# Altium PCB Velvet_Controller_V2.0_2023.PcbDoc (part 2 of 4)
Units mm, origin at the board's own origin, x right, y up, seen from the top; angles counter-clockwise.
Board outline 215.4 x 111.4 mm, 4 copper layers (Top Layer, INT1, INT2, Bottom Layer), stack 1.46 mm thick; 362 components, 218 nets, 1223 pads, 730 vias.
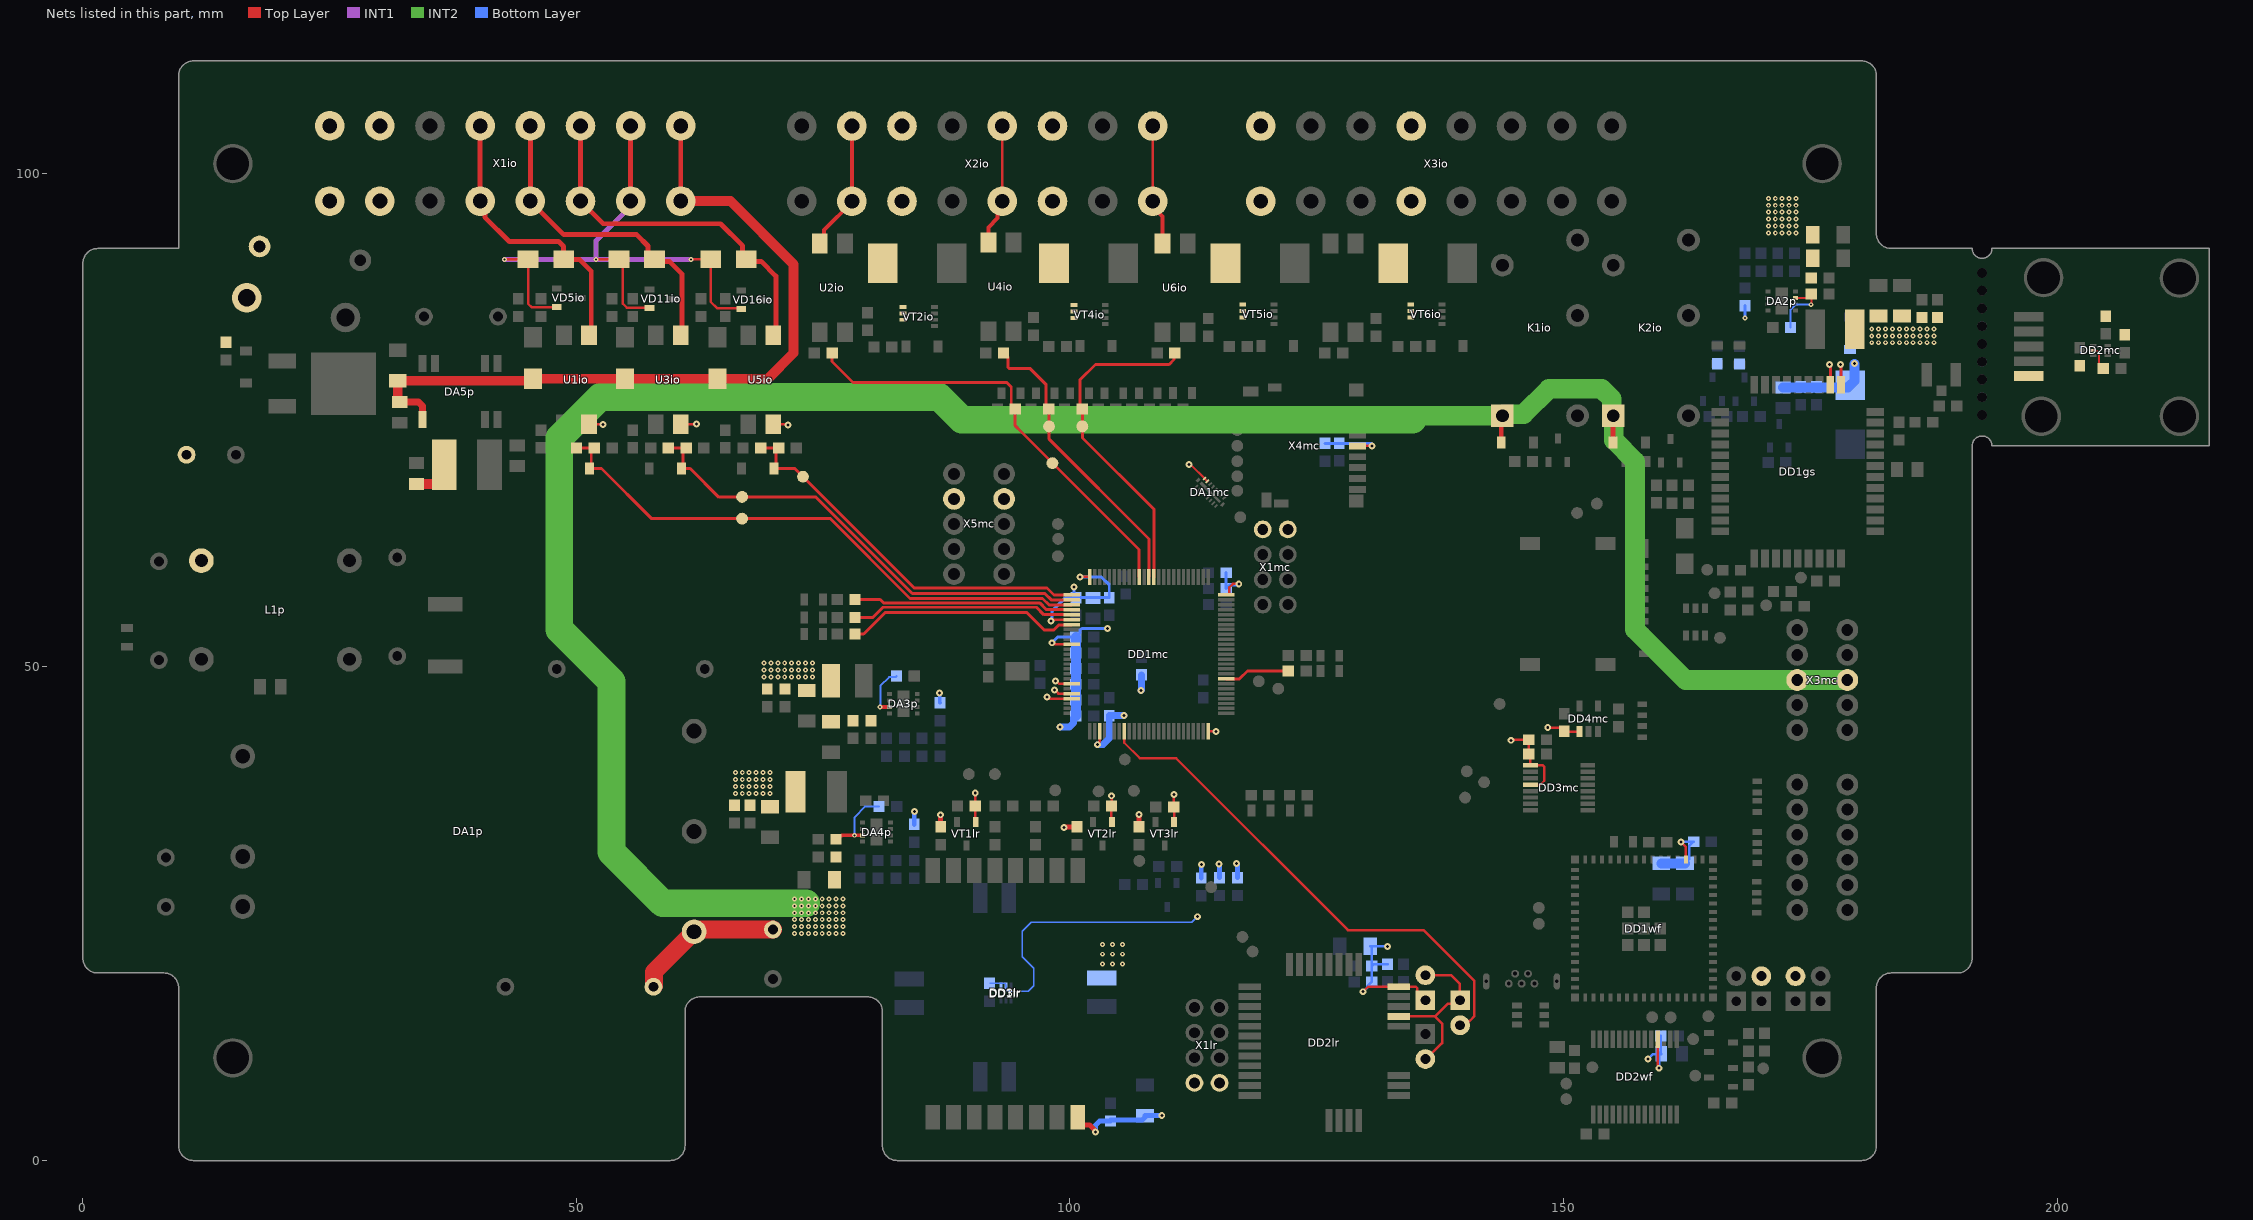
[diagram p4: the nets of this part, all layers, seen from the top]

## Footprints (in the part's own frame and the unit in brackets; to place one, negate y for a bottom-side part, rotate by r counter-clockwise, add the part's x,y. Pads: shape width x height; smd on the part's side, far side on the other; paste and mask are expansions set on the pad) (continued)
TSSOP-28 [mm] "28-pin SSOP (210 Mils) Package Outline, 51-85079"
  rect 1.8x0.45 smd: 1(-3.8,4.225) 2(-3.8,3.575) 3(-3.8,2.925) 4(-3.8,2.275) 5(-3.8,1.625) 6(-3.8,0.975) 7(-3.8,0.325) 8(-3.8,-0.325) 9(-3.8,-0.975) 10(-3.8,-1.625) 11(-3.8,-2.275) 12(-3.8,-2.925) 13(-3.8,-3.575) 14(-3.8,-4.225) 15(3.8,-4.225) 16(3.8,-3.575) 17(3.8,-2.925) 18(3.8,-2.275) 19(3.8,-1.625) 20(3.8,-0.975) 21(3.8,-0.325) 22(3.8,0.325) 23(3.8,0.975) 24(3.8,1.625) 25(3.8,2.275) 26(3.8,2.925) 27(3.8,3.575) 28(3.8,4.225)
  silkscreen extent -4.8,-5.2 2.4,5.2, body extent -4.05,-5.19 4.05,5.19, height 2.01
TYS5020 [mm] "5mm x 5mm x 2mm TYS5020 Series SMT Power Inductor"
  rect 2x4.2 smd: 1(-2.1,0) 2(2.1,0)
  silkscreen extent -2.6,-2.6 2.6,2.6, body extent -2.6,-2.6 2.6,2.6, height 2.2
URB2412LD-30WR3 [mm] "Isolated Module DC DC Converter 1 Output 12V 2.5A 9V - 36V Input"
  round 2.5 hole 1.5: 1(-22.86,7.62) 2(-22.86,-2.54) 3(-22.86,-7.62) 4(22.86,-10.16) 5(22.86,0) 6(22.86,10.16)
  silkscreen extent -27.27,-12.7 25.4,13.37, body extent -25.4,-12.7 25.4,12.7, height 11.8
USB3131-30-0230-A [mm] "USB - micro B USB 2.0 Receptacle Connector 5 Position Through Hole"
  round 0.8 hole 0.4: 1(-1.3,0) 2(-0.65,-1) 3(0,0) 4(0.65,-1) 5(1.3,0)
  oval 0.65x1.65 hole 0.35 slot 1.35 at 90 deg: 6(-3.575,-0.22) 7(3.575,-0.22)
  silkscreen extent -3.97,-1.67 3.97,1.23, body extent -3.97,-1.64 3.97,1.2, height 5.9
VLS6045EX [mm] "6.0mm x 6.0mm x 4.5mm Shielded inductors 0.47uH...680uH / 13.5A...0.3A"
  rect 2.5x5.1 smd: 1(-2.3,0) 2(2.3,0)
  silkscreen extent -3,-3 3,3, body extent -3,-3 3,3, height 4.49

## Part data
C1gs: "CAP SMD TANT 100UF 20% 10V 2917", Capacitance=100uF, Manufacturer 1="KYOCERA AVX", Max Operating Temperature=125°C, Min Operating Temperature=-55°C, Package=D, Rated Voltage=10V, Tolerance=20%, ESR=50mOhm, Manufacturer Part Number 1=TPSD107M010R0050, Mounting=SM, Size Code=2917, Type=Molded
C1io C2io C3io C5mc C13mc C14mc: "CAP SMD CER 10000PF 50V X7R 0603", Capacitance=10nF, Manufacturer 1="Samsung Electro-Mechanics", Max Operating Temperature=125°C, Min Operating Temperature=-55°C, Package=0603, Rated Voltage=50V, Supplier Part Number 1=1276-1009-1-ND, Tolerance=10%, Manufacturer Part Number 1=CL10B103KB8NNNC, Mounting=SM, Supplier 1=Digi-Key, Type="Multilayer Ceramic"
C1lr C3lr C3wf C4wf C10p C11p C15p C18p C19p C22p C29p C33p C38p: "CAP SMD CER 10UF 25V X7R 1206", Capacitance=10uF, Manufacturer 1="Samsung Electro-Mechanics", Max Operating Temperature=125°C, Min Operating Temperature=-55°C, Package=1206, Rated Voltage=25V, Supplier Part Number 1=1276-1804-1-ND, Tolerance=10%, Manufacturer Part Number 1=CL31B106KAHNNNE, Mounting=SM, Supplier 1=Digi-Key, Type="Multilayer Ceramic"
C1mc C2mc C2wf C4mc C5gs C5lr C5wf C6lr C7lr C7wf C9p C13p C14p C15mc C16mc C17mc C17p C18mc C19mc C20mc C21mc C21p C24mc C24p C31p C32p C35p: "CAP SMD CER 0.1UF 50V X7R 0603", Capacitance=0.1uF, Manufacturer 1="Murata Electronics", Max Operating Temperature=125°C, Min Operating Temperature=-55°C, Package=0603, Rated Voltage=50V, Supplier Part Number 1=490-4779-1-ND, Tolerance=10%, Manufacturer Part Number 1=GCM188R71H104KA57D, Mounting=SM, Supplier 1=Digi-Key, Type="Multilayer Ceramic"
C1p C7p: "CAP FILM 1200PF 5% 2KVDC RADIAL", Capacitance=1200pF, Manufacturer 1="EPCOS - TDK Electronics", Max Operating Temperature=110°C, Min Operating Temperature=-55°C, Package="18mm x 5mm x 10.5mm", Rated Voltage=2kV, Supplier Part Number 1=495-3220-ND, Tolerance=5%, Lead Spacing=15mm, Manufacturer Part Number 1=B32672L8122J000, Mounting=T/H, Supplier 1=Digi-Key, Type=MKP
C1wf C2gs C6p C6wf C7gs C22mc C36p C37p: "CAP SMD CER 4.7UF 50V X5R 0805", Capacitance=4.7uF, Manufacturer 1="Samsung Electro-Mechanics", Max Operating Temperature=85°C, Min Operating Temperature=-55°C, Package=0805, Rated Voltage=50V, Supplier Part Number 1=1276-1248-1-ND, Tolerance=10%, Manufacturer Part Number 1=CL21A475KBQNNNE, Mounting=SM, Supplier 1=Digi-Key, Type="Multilayer Ceramic"
C2lr C4lr C8wf C10mc C11mc C12p C16p C20p C23mc C23p C27p C28p C30p C34p C41p: "CAP SMD CER 1UF 25V X5R 0603", Capacitance=1uF, Manufacturer 1="Taiyo Yuden", Max Operating Temperature=85°C, Min Operating Temperature=-55°C, Package=0603, Rated Voltage=25V, Supplier Part Number 1=587-1248-1-ND, Tolerance=10%, Manufacturer Part Number 1=TMK107BJ105KA-T, Mounting=SM, Supplier 1=Digi-Key, Type="Multilayer Ceramic"
C2p C8p: "CAP FILM 4700PF 20% 1KVDC RAD", Capacitance=4700pF, Manufacturer 1=KEMET, Max Operating Temperature=110°C, Min Operating Temperature=-40°C, Package="13mm x 4mm x 9.1mm", Rated Voltage=1kV, Supplier Part Number 1=399-13727-ND, Tolerance=20%, Lead Spacing=10mm, Manufacturer Part Number 1=R474F147050A1M, Mounting=T/H, Supplier 1=Digi-Key, Type=X1
C3gs: "CAP SMD CER 33PF 50V C0G/NP0 0603", Capacitance=33p, Manufacturer 1=KEMET, Max Operating Temperature=125°C, Min Operating Temperature=-55°C, Package=0603, Rated Voltage=50V, Tolerance=5%, Manufacturer Part Number 1=C0603C330J5GAC7867, Mounting=SM, Supplier 1=Digi-Key, Type="Multilayer Ceramic"
C3mc: "CAP SMD CER 1000PF 50V X7R 0603", Capacitance=1nF, Manufacturer 1="Murata Electronics", Max Operating Temperature=125°C, Min Operating Temperature=-55°C, Package=0603, Rated Voltage=50V, Supplier Part Number 1=490-4777-1-ND, Tolerance=10%, Manufacturer Part Number 1=GCM188R71H102KA37D, Mounting=SM, Supplier 1=Digi-Key, Type="Multilayer Ceramic"
C3p: "CAP ALUM 100UF 20% 50V RADIAL", Capacitance=100uF, Capacitor Type="Aluminium Electrolytic", Manufacturer 1="Panasonic Electronic Components", Max Operating Temperature=85°C, Min Operating Temperature=-40°C, Ripple Current @ High Frequency=425mA, Ripple Current @ Low Frequency=250mA, Supplier Part Number 1=P5182-ND, Tolerance=20%, Voltage Rated=50V, Diameter=8mm, Height=12.5mm, Lead Spacing=5mm, Manufacturer Part Number 1=ECA-1HM101B, Supplier 1=Digi-Key
C4gs: "CAP SMD CER 10PF 50V C0G/NP0 0603", Capacitance=10p, Manufacturer 1=YAGEO, Max Operating Temperature=125°C, Min Operating Temperature=-55°C, Package=0603, Rated Voltage=50V, Supplier Part Number 1=311-1058-1-ND, Tolerance=5%, Manufacturer Part Number 1=CC0603JRNPO9BN100, Mounting=SM, Supplier 1=Digi-Key, Type="Multilayer Ceramic"
C4p: "CAP ALUM 680UF 20% 50V RADIAL", Capacitance=680uF, Capacitor Type="Aluminium Electrolytic", Manufacturer 1=Rubycon, Max Operating Temperature=105°C, Min Operating Temperature=-55°C, Ripple Current @ High Frequency=1.176A, Ripple Current @ Low Frequency=980mA, Tolerance=20%, Voltage Rated=50V, Diameter=12.5mm, Height=21.5mm, Lead Spacing=5mm, Manufacturer Part Number 1=50PX680MEFC12.5X20
C5p: "CAP ALUM 330UF 20% 50V RADIAL", Capacitance=330uF, Capacitor Type="Aluminium Electrolytic", Manufacturer 1="Panasonic Electronic Components", Max Operating Temperature=85°C, Min Operating Temperature=-40°C, Ripple Current @ High Frequency=850A, Ripple Current @ Low Frequency=500mA, Tolerance=20%, Voltage Rated=50V, Diameter=10mm, Height=17mm, Lead Spacing=5mm, Manufacturer Part Number 1=ECA-1HM331B
C6gs C6mc C9mc: "CAP SMD CER 22PF 50V NP0  0603", Capacitance=22pF, Manufacturer 1=YAGEO, Max Operating Temperature=125°C, Min Operating Temperature=-55°C, Package=0603, Rated Voltage=50V, Supplier Part Number 1=311-1062-1-ND, Tolerance=5%, Manufacturer Part Number 1=CC0603JRNPO9BN220, Mounting=SM, Supplier 1=Digi-Key, Type="Multilayer Ceramic"
C7mc C8mc C12mc: "CAP SMD CER 2.2UF 25V X5R 0603", Capacitance=2.2uF, Manufacturer 1="Murata Electronics", Max Operating Temperature=85°C, Min Operating Temperature=-55°C, Package=0603, Rated Voltage=25V, Supplier Part Number 1=490-10731-1-ND, Tolerance=10%, Manufacturer Part Number 1=GRM188R61E225KA12D, Mounting=SM, Supplier 1=Digi-Key, Type="Multilayer Ceramic"
C25p: "CAP SMD CER 1500PF 50V C0G/NP0 0603", Capacitance=1500p, Manufacturer 1="Murata Electronics", Max Operating Temperature=125°C, Min Operating Temperature=-55°C, Package=0603, Rated Voltage=50V, Supplier Part Number 1=490-1455-1-ND, Tolerance=5%, Manufacturer Part Number 1=GRM1885C1H152JA01D, Mounting=SM, Supplier 1=Digi-Key, Type="Multilayer Ceramic"
C26p: "CAP SMD CER 560PF 50V X7R 0603", Capacitance=560p, Manufacturer 1=YAGEO, Max Operating Temperature=125°C, Min Operating Temperature=-55°C, Package=0603, Rated Voltage=50V, Supplier Part Number 1=311-1079-1-ND, Tolerance=10%, Manufacturer Part Number 1=CC0603KRX7R9BB561, Mounting=SM, Supplier 1=Digi-Key, Type="Multilayer Ceramic"
C39p: "CAP SMD CER 1800PF 50V C0G/NP0 0603", Capacitance=1800p, Manufacturer 1="Murata Electronics", Max Operating Temperature=125°C, Min Operating Temperature=-55°C, Package=0603, Rated Voltage=50V, Supplier Part Number 1=490-1457-1-ND, Tolerance=5%, Manufacturer Part Number 1=GRM1885C1H182JA01D, Mounting=SM, Supplier 1=Digi-Key, Type="Multilayer Ceramic"
C40p: "CAP SMD CER 47PF 6KV SL RADIAL", Capacitance=47pF, Manufacturer 1="TDK Corporation", Max Operating Temperature=125°C, Min Operating Temperature=-25°C, Package=Radial, Rated Voltage=4kV, Tolerance=5%, Manufacturer Part Number 1=CC45SL3JD470JYVNA, Mounting=T/H, Type="High Voltage"
DA1mc: "FILTER RC(PI) 45 OHM/20PF SMD", Channel Resistance="45 Ohm", Manufacturer 1=STMicroelectronics, Max Operating Temperature=85°C, Min Operating Temperature=-30°C, Package="16-UFDFN Exposed Pad", Supplier Part Number 1=497-8751-1-ND, Filter Type="Low Pass", Manufacturer Part Number 1=EMIF06-MSD02N16, Mounting=SM, Supplier 1=Digi-Key, Technology=RC
DA1p: "DC DC CONVERTER 12V 30W", Max Input Voltage DC=36V, Max Operating Temperature=-40℃, Max Output Current=2.5A, Min Input Voltage DC=9V, Min Operating Temperature=+80℃, Operating Frequency=300kHz, Output Voltage DC=12V, Output Voltage Ripple=100mV, Power Rating=30W, Supplier Part Number 1=2725-URB2412LD-30WR3-ND, Application="ITE (Commercial)", Efficiency=90%, Help URL=https://www.mornsun-power.com/html/pdf/URB2412LD-30WR3.html, Mounting Type=T/H, Pins=6, Size="50.8mm x 25.4mm x 11.8mm", Supplier 1=Digi-Key
DA2p DA3p DA4p: "IC REG BUCK ADJ 3A 8DFN", Manufacturer 1="Alpha & Omega Semiconductor Inc.", Max Input Voltage=20V, Max Operating Frequency=750kHz, Max Output Voltage=7V, Max Pulsed Current=3.2A, Min Input Voltage=4.5V, Min Output Voltage=0.6V, Supplier Part Number 1=785-1855-1-ND, Manufacturer Part Nubmer 1=AOZ6663DI, Supplier 1=Digi-Key, Type=Buck
DA5p: "DC DC CONVERTER 5V 1W", Max Input Voltage DC=5.5V, Max Operating Temperature=-40℃, Max Output Current=200mA, Min Input Voltage DC=4.5V, Min Operating Temperature=+125℃, Operating Frequency=300kHz, Output Voltage DC=5V, Output Voltage Ripple=100mV, Power Rating=1W, Supplier Part Number 1=2725-B0505MT-1WR4CT-ND, Application="ITE (Commercial)", Efficiency=8%, Help URL=https://www.mornsun-power.com/html/pdf/B0505MT-1WR4.html, Mounting Type=SM, Pins=7, Size=L9.0W7.0H3.1P1.27, Supplier 1=Digi-Key
DD1gs: "GSM/GPRS Module", Manufacturer 1=SIMCom, Max Operating Temperature="+85 °C", Min Operating Temperature="-40 °C", Supply Voltage=4V, Manufacturer Part Number 1=SIM800C
DD1lr: "UHF RFID Reader Module", Frequency Band 1=902~928MHz, Frequency Band 2=865~868MHz, Manufacturer 1=ChaFon, Max Supply Current=360mA, Max Supply Voltage=5V, Min Supply Voltage=3.5V, Effective Range=15m, Interface=UART, Manufacturer Part Number 1=CF-MU904, RSSI=Yes, Tag Buffer Size 1=370PCS@Max.128bitsEPC, Tag Buffer Size 2=120PCS@Max.496bitsEPC
DD1mc: "IC MCU 32BIT 1MB FLASH 100LQFP", Manufacturer 1=STMicroelectronics, Max Operating Temperature=85°C, Min Operating Temperature=-40°C, Package / Case="100-LQFP (14x14)", Voltage - Supply (Vcc/Vdd)="1.8V ~ 3.6V", Core Processor="ARM® Cortex®-M4", Core Size="32-Bit Single-Core", Manufacturer Part Number 1=STM32F407VGT6, Mounting Type=SM, Number Of ADC=16x12b, Number Of DAC=2x12b, Number of I/O=82, Program Memory Size="1MB (1M x 8)", Program Memory Type=FLASH, RAM Size="192K x 8", Speed=168MHz
DD1wf: "SMD MODULE, ESP32-S2FN4R2 WITH WIFI 802.11B/G/N TRANCEIVER MODULE 2.4GHZ", Manufacturer 1="Espressif Systems", Max Operating Temperature=85°C, Max Supply Current="TX=310mA, RX=68mA, CPU = 32mA", Min Operating Temperature=-40°C, Package="65-SMD Module", Supplier Part Number 1=1965-ESP32-S2-MINI-1U-N4R2CT-ND, Supply Voltage=3.3V, Antenna Type=IPEX, Data Rate=150Mbps, Manufacturer Part Number 1=ESP32-S2-MINI-1U-N4R2, Memory Size="6MB Flash, 128kB ROM, 336kB SRAM", Mounting=SM, Protocol=802.11b/g/n, RF Standard=WiFi, Supplier 1=Digi-Key
DD2lr: "MODULE FOR LORAWAN RAK3172", Frequency="433MHz, 470MHz, 864MHz, 865MHz, 868MHz, 915MHz, 920MHz, 923MHz", Manufacturer 1="RAKwireless Technology Limited", Max Operating Temperature=85°C, Max Supply Current=100mA, Max Supply Voltage=3.6V, Min Operating Temperature=-40°C, Min Supply Voltage=2V, Package="32-SMD Module", Function=Transceiver, Manufacturer Part Number 1="RAK3172-P3 RUI", RF Type=LoRaWAN
DD2mc DD3lr: "SOT-563 TEMPERATURE SENSORS ROHS", Manufacturer 1=UMW, Max Operating Temperature=150°C, Min Operating Temperature=-55°C, Package=SOT-563, Supplier Part Number 1=296-38578-1-ND, Interface=I²C/SMBus, Manufacturer Part Number 1=TMP112AIDRLR, Max Accuracy=±0.1°C, Min Accuracy=±1°C, Mounting Type=SM, Resolution=12b, Supplier 1=Digi-Key
DD2wf: "IC USB-SERIAL PART 28SSOP", Manufacturer 1="Infineon Technologies", Max Operating Temperature=85°C, Max Supply Current=20mA, Min Operating Temperature=-40°C, Package=28-SSOP, Supply Voltage="1.71V ~ 5.5V", Function="USB to UART", Manufacturer Part Number 1=CY7C65213-28PVXI, Standards="USB 2.0"
DD3mc: "IC DRIVER LVDS FULL 4/0 16TSSOP", Manufacturer 1="Texas Instruments", Max Operating Temperature=85°C, Min Operating Temperature=-40°C, Package=16-TSSOP, Supplier Part Number 1=296-50740-1-ND, Voltage Supply Range=3...3.6V, Data Rate=400Mbps, Manufacturer Part Number 1=DSLVDS1047PWR, Mounting=SM, Number Of Drivers=4, Number Of Receivers=0, Supplier 1=Digi-Key
DD4mc: "IC RECEIVER LVDS 0/1 SOT23-5", Manufacturer 1=onsemi, Max Operating Temperature=125°C, Min Operating Temperature=-40°C, Package=SOT-23-5, Supplier Part Number 1=FIN1002M5XCT-ND, Voltage Supply Range=3...3.6V, Data Rate=400Mbps, Manufacturer Part Number 1=FIN1002M5X, Mounting=SM, Number Of Drivers=0, Number Of Receivers=1, Supplier 1=Digi-Key
FU1p: "PTC RESET FUSE 60V 5A RADIAL", Current Hold=1A, Current Trip=10A, Initial Resistance=12mOhm, Manufacturer 1="Bel Fuse Inc.", Max Current=40A, Max Operating Temperature=85°C, Min Operating Temperature=-40°C, Supplier Part Number 1=507-0ZRP0500FF2ACT-ND, Manufacturer Part Number 1=0ZRP0500FF2A, Supplier 1=Digi-Key, Time To Trip=28s
JP1lr JP1wf JP2lr JP2wf JP3lr JP3wf JP4wf: "CONN HEADER VERT 2POS 2.54MM", Manufacturer 1="Sullins Connector Solutions", Manufacturer Part Number 1=PREC002SAAN-RC, Number of Pins=2, Pitch=2.54mm
K1io K2io: "RELAY GEN PURPOSE SPDT 10A 12V", Coil Current=33.3mA, Coil Resistance=360mOhm, Contact Rating=10A, Manufacturer 1="Panasonic Electric Works", Max Operating Temperature=85°C, Max Switching Voltage=250VAC, Min Operating Temperature=-40°C, Package="20mm x 10mm x 15.6mm", Supplier Part Number 1=255-3562-ND, Coil Type="Non Latching", Contact Form="SPDT (1 Form C)", Manufacturer Part Number 1=ALQ112, Mounting=T/H, Supplier 1=Digi-Key
L1p: "COMMON MODE CHOKE 700UH 4A 2LN TH", Current Rating=4A, Inductance=700uH, Manufacturer 1="Schaffner EMC Inc.", Max Operating Temperature=125°C, Min Operating Temperature=-40°C, Saturation Current=-, Supplier Part Number 1=817-2176-ND, DCR=24mOhm, Manufacturer Part Number 1=RN212-4-02-0M7, Shielding=Yes, Supplier 1=Digi-Key
L2p: "FIXED IND 4.7UH 3.1A 35 MOHM SMD", Current Rating=3.1A, Inductance=4.7uH, Manufacturer 1=Bourns, Max Operating Temperature=125°C, Min Operating Temperature=-40°C, Saturation Current=3.3A, Supplier Part Number 1=SRN5040-4R7MCT-ND, DCR=35mOhm, Manufacturer Part Number 1=SRN5040-4R7M, Shielding=Yes, Supplier 1=Digi-Key
L3p: "FIXED IND 10UH 1.5A 100 MOHM SMD", Current Rating=1.5A, Inductance=10uH, Manufacturer 1="Abracon LLC", Max Operating Temperature=125°C, Min Operating Temperature=-40°C, Saturation Current=1.95A, Supplier Part Number 1=535-12314-1-ND, DCR=100mOhm, Manufacturer Part Number 1=ASPI-4030S-100M-T, Shielding=Yes, Supplier 1=Digi-Key
L4p: "FIXED IND 22UH 1.1A 226 MOHM SMD", Current Rating=1.1A, Inductance=22uH, Manufacturer 1="Laird-Signal Integrity Products", Max Operating Temperature=125°C, Min Operating Temperature=-40°C, Saturation Current=1.15A, Supplier Part Number 1=240-2706-1-ND, DCR=226mOhm, Manufacturer Part Number 1=TYS5020220M-10, Shielding=Yes, Supplier 1=Digi-Key
L5p: "FIXED IND 6.8UH 3.6A 36 MOHM SMD", Current Rating=3.6A, Inductance=6.8uH, Manufacturer 1="TDK Corporation", Max Operating Temperature=105°C, Min Operating Temperature=-40°C, Saturation Current=4.7A, Supplier Part Number 1=445-173057-1-ND, DCR=36mOhm, Manufacturer Part Number 1=VLS6045EX-6R8M, Shielding=Yes, Supplier 1=Digi-Key
R1gs: "RES SMD 4.7k OHM 1% 1/10W 0603", Manufacturer 1="Stackpole Electronics Inc", Max Operating Temperature=155°C, Min Operating Temperature=-55°C, Package=0603, Rated Power=100mW, Rated Voltage=75V, Resistance=4.7k, Tolerance=1%, Manufacturer Part Number 1=RMCF0603FT4K70, Qualification=AEC-Q200
R1io R8gs R8lr R9gs R9lr R10io R16lr R21io R24io: "RES SMD 1K OHM 1% 1/10W 0603", Manufacturer 1="Stackpole Electronics Inc", Max Operating Temperature=155°C, Min Operating Temperature=-55°C, Package=0603, Rated Power=100mW, Rated Voltage=75V, Resistance=1k, Tolerance=1%, Manufacturer Part Number 1=RMCF0603FT1K00, Qualification=AEC-Q200
R1lr R1wf R2lr R3io R3lr R4io R4lr R4mc R5lr R5wf R6lr R7io R7lr R11io R12io R15io R17lr R18io R19io: "RES SMD 10K OHM 5% 1/10W 0603", Manufacturer 1="Stackpole Electronics Inc", Max Operating Temperature=155°C, Min Operating Temperature=-55°C, Package=0603, Power Rated=100mW, Ratings=AEC-Q200, Resistance=10k, Supplier Part Number 1=RMCF0603JT10K0CT-ND, Tolerance=5%, Voltage Rated=75V, Manufacturer Part Number 1=RMCF0603JT10K0, Supplier 1=Digi-Key
R1mc R2mc R3mc R18lr R19lr R20lr: "RES SMD 4.99K OHM 1% 1/10W 0603", Manufacturer 1=YAGEO, Max Operating Temperature=155°C, Min Operating Temperature=-55°C, Package=0603, Rated Power=100mW, Rated Voltage=75V, Resistance=4.99k, Tolerance=1%, Manufacturer Part Number 1=RC0603FR-074K99L, Qualification=-
R1p: "RES SMD 1.8K OHM 1% 2W 2512", Manufacturer 1="TE Connectivity Passive Product", Max Operating Temperature=155°C, Min Operating Temperature=-55°C, Package=2512, Rated Power=2W, Rated Voltage=200V, Resistance=1.8k, Supplier Part Number 1=A116038CT-ND, Tolerance=1%, Manufacturer Part Number 1=35211K8FT, Qualification=AEC-Q200, Supplier 1=Digi-Key
R2gs R3gs R4gs: "RES SMD 51 OHM 1% 1/10W 0603", Manufacturer 1="Stackpole Electronics Inc", Max Operating Temperature=155°C, Min Operating Temperature=-55°C, Package=0603, Rated Power=100mW, Rated Voltage=75V, Resistance=51, Tolerance=1%, Manufacturer Part Number 1=RMCF0603FT51R0, Qualification=AEC-Q200
R2io R9io R17io: "RES SMD 1.5K OHM 1% 1/10W 0603", Manufacturer 1="Stackpole Electronics Inc", Max Operating Temperature=155°C, Min Operating Temperature=-55°C, Package=0603, Power Rated=100mW, Ratings=AEC-Q200, Resistance=1.5k, Supplier Part Number 1=RMCF0603FT1K50CT-ND, Tolerance=1%, Voltage Rated=75V, Manufacturer Part Number 1=RMCF0603FT1K50, Supplier 1=Digi-Key
R2p: "RES SMD 27K OHM 1% 1/10W 0603", Manufacturer 1="Stackpole Electronics Inc", Manufacturer Part Number 1=RMCF0603FT22K0, Max Operating Temperature=155°C, Min Operating Temperature=-55°C, Package=0603, Rated Power=100mW, Rated Voltage=75V, Ratings=AEC-Q200, Resistance=27k, Supplier Part Number 1=RMCF0603FT27K0CT-ND, Tolerance=1%, Mounting=SM, Pins=2, Supplier 1=Digi-Key
R2wf: library part "RES GOST", "RES 510 OHM 5% 1/10W 0603", Manufacturer 1="Stackpole Electronics Inc", Max Operating Temperature=155°C, Min Operating Temperature=-55°C, Package=0603, Power Rating=100mW, Resistance=510R, Tolerance=5%, Manufacturer Part Number 1=RMCF0603JT510R
R3p R3wf R4p R4wf R11p R13gs R14gs R15gs: "RES SMD 100K OHM 5% 1/10W 0603", Manufacturer 1="Stackpole Electronics Inc", Max Operating Temperature=155°C, Min Operating Temperature=-55°C, Package=0603, Power Rated=100mW, Ratings=AEC-Q200, Resistance=100k, Supplier Part Number 1=RMCF0603FT100KCT-ND, Tolerance=5%, Voltage Rated=75V, Manufacturer Part Number 1=RMCF0603FT100K, Supplier 1=Digi-Key
R5gs: "RES SMD 0 OHM 1% 1/10W 0603", Manufacturer 1="Stackpole Electronics Inc", Max Operating Temperature=155°C, Min Operating Temperature=-55°C, Package=0603, Rated Power=100mW, Rated Voltage=75V, Resistance=0, Tolerance=1%, Manufacturer Part Number 1=RMCF0603ZT0R00, Qualification=AEC-Q200
R5io R8io R8p R14io R16io R22io R23io R25io R26io: "RES SMD 22K OHM 1% 1/10W 0603", Manufacturer 1="Stackpole Electronics Inc", Max Operating Temperature=155°C, Min Operating Temnperature=-55°C, Package=0603, Power Rated=100mW, Rating=AEC-Q200, Resistance=22k, Supplier Part Number 1=RMCF0603FT22K0CT-ND, Tolerance=1%, Voltage Rated=75V, Manufacturer Part Number 1=RMCF0603FT22K0, Mounting=SM, Pins=2, Supplier 1=Digi-Key
R5mc R6mc R7mc R8mc R9mc R10gs R10mc R11gs R11mc R12mc R13mc R14mc R15mc R16mc R17mc: "RES SMD 510 OHM 5% 1/10W 0603", Manufacturer 1="Stackpole Electronics Inc", Max Operating Temperature=155°C, Min Operating Temperature=-55°C, Package=0603, Power Rated=100mW, Ratings=AEC-Q200, Resistance=510, Supplier Part Number 1=RMCF0603JT510RCT-ND, Tolerance=5%, Voltage Rated=75V, Manufacturer Part Number 1=RMCF0603JT510R, Supplier 1=Digi-Key
R5p: "RES SMD 86.6K OHM 5% 1/10W 0603", Manufacturer 1="Stackpole Electronics Inc", Max Operating Temperature=155°C, Min Operating Temperature=-55°C, Package=0603, Power Rated=100mW, Ratings=AEC-Q200, Resistance=86.6k, Supplier Part Number 1=RMCF0603FT86K6CT-ND, Tolerance=5%, Voltage Rated=75V, Manufacturer Part Number 1=RMCF0603FT86K6, Supplier 1=Digi-Key
R6gs R7gs: library part "RES GOST", "RES SMD/TH ?R (&K) OHM ?% ?W (PACKAGE)"
R6io R12gs R13io R20io: "RES SMD 5.6K OHM 1% 1/10W 0603", Manufacturer 1="Stackpole Electronics Inc", Manufacturer Part Number 1=RMCF0603FT1K00, Max Operating Temperature=155°C, Min Operating Temperature=-55°C, Package=0603, Rated Power=100mW, Rated Voltage=75V, Resistance=5.6k, Tolerance=1%, Qualification=AEC-Q200
R6p: "RES SMD 68K OHM 1% 1/10W 0603", Manufacturer 1="Stackpole Electronics Inc", Max Operating Temperature=155°C, Min Operating Temperature=-55°C, Package=0603, Power Rated=100mW, Ratings=AEC-Q200, Resistance=68k, Supplier Part Number 1=RMCF0603FT68K0CT-ND, Tolerance=1%, Voltage Rated=75V, Manufacturer Part Number 1=RMCF0603FT68K0, Supplier 1=Digi-Key